# KiCad board panel.kicad_pcb (continued)
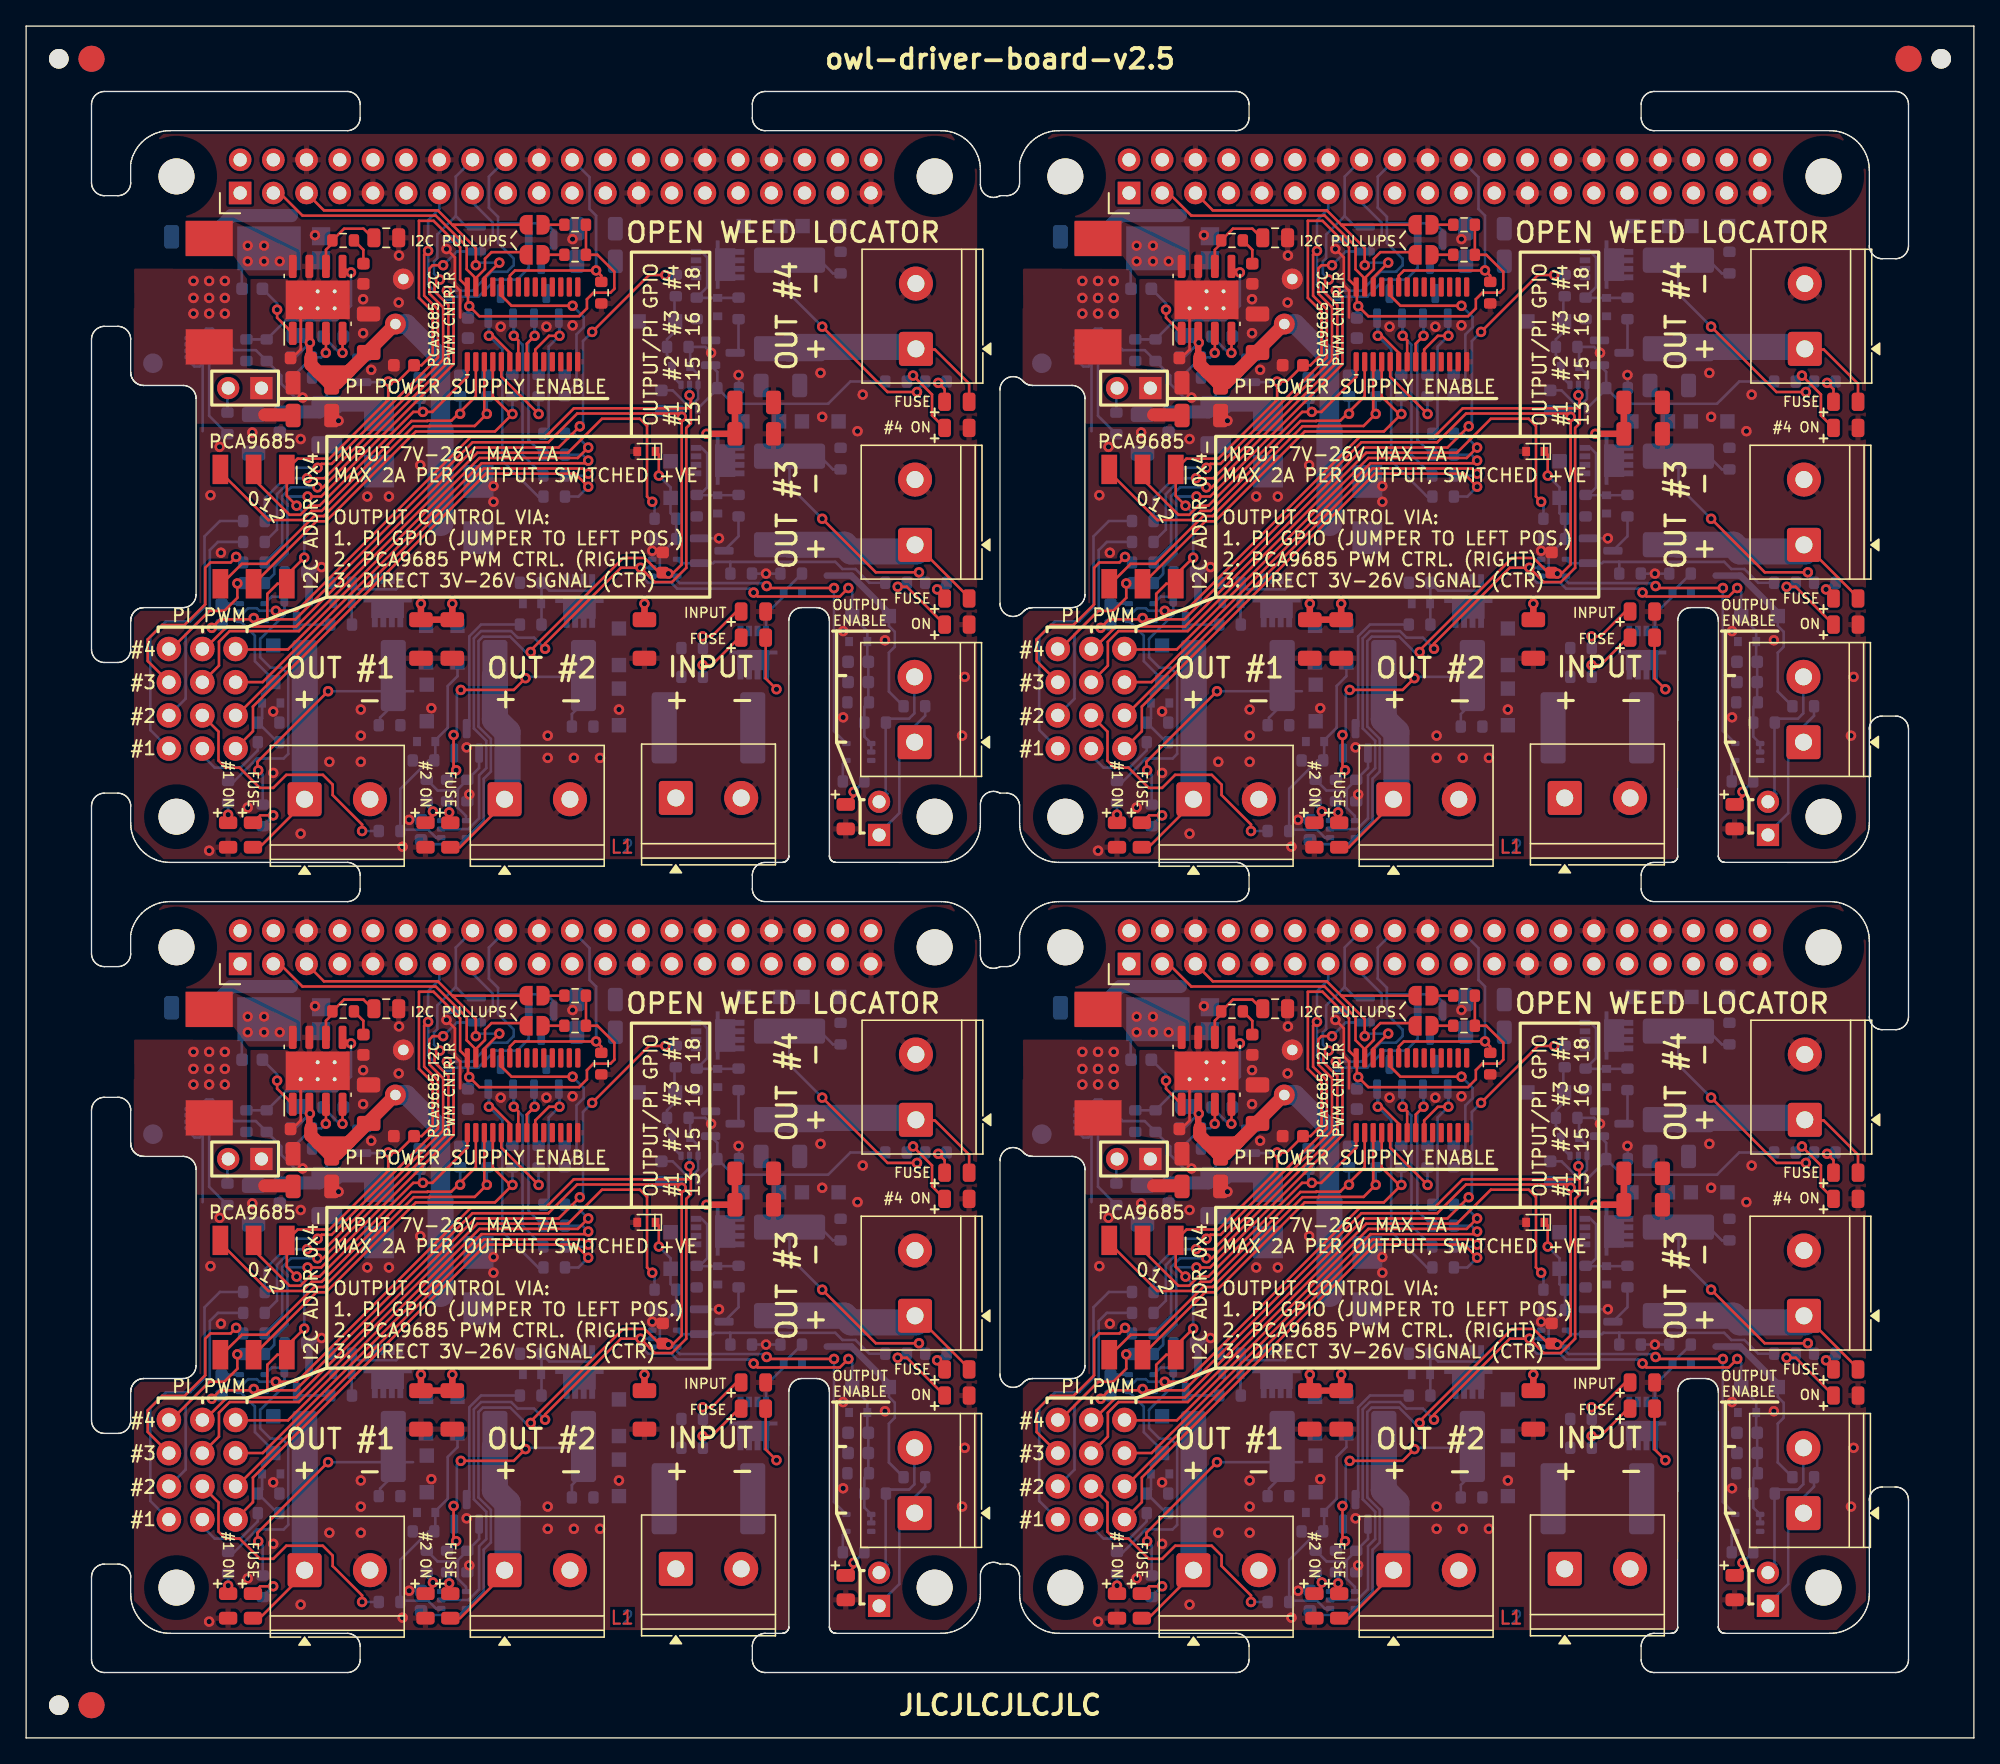
[diagram p0: board, top side]
## Nets (continued)
Board_3-I2C_SCL: J2#4.5 JP8#4.1 U2#2.26
Board_3-I2C_SDA: J2#4.3 JP7#4.1 U2#2.27
Board_3-INPUT1: J6.1 R24#4.2
Board_3-INPUT2: J6.3 R25#3.2
Board_3-INPUT3: J6.5 R26#3.2
Board_3-INPUT4: J6.7 R27#4.2
Board_3-MOSFET1: J6.2 R9.2
Board_3-MOSFET2: J6.4 R19#2.2
Board_3-MOSFET3: J6.6 R10#3.2
Board_3-MOSFET4: J6.8 R20#3.2
Board_3-Net-(C23-Pad1): C23.1 R44#2.2
Board_3-Net-(D1-A): D1#4.2 R1#2.1
Board_3-Net-(D1-K): D1#4.1 F1#4.2 Q1#3.2
Board_3-Net-(D4-A): D4#4.2 R4#3.1
Board_3-Net-(D5-A): D5#3.2 R5#3.1
Board_3-Net-(D6-A): D6#2.2 Q1#3.1 R8#4.2
Board_3-Net-(D12-A): D12.2 D45#4.1 R9.1 R53#2.2 U5#3.1
Board_3-Net-(D13-A): D13.2 D43#4.1 R10#3.1 R51#2.2 U6#4.1
Board_3-Net-(D19-A): D19#4.2 R15.1
Board_3-Net-(D20-A): D20#2.2 R16#3.2
Board_3-Net-(D25-A): D25#2.2 D44#4.1 R19#2.1 R52#2.2 U4#2.1
Board_3-Net-(D26-A): D26#3.2 D42#3.1 R20#3.1 R50#3.2 U7#2.1
Board_3-Net-(D29-A): D29#3.2 R58#2.1
Board_3-Net-(D30-A): D30#2.2 R56.1
Board_3-Net-(D31-A): D31.2 R57#3.1
Board_3-Net-(D37-A): D37#2.2 R54#2.1
Board_3-Net-(D38-A): D38#4.2 R23#3.1
Board_3-Net-(D41-A): D41.2 R55#4.1
Board_3-Net-(J2-GP22): D35#3.2 J2#4.15 R29#2.1
Board_3-Net-(J2-GP23): D35#3.1 J2#4.16 R30#4.1
Board_3-Net-(J2-GP24): D34#3.2 J2#4.18 R31#4.1
Board_3-Net-(J2-GP27): D34#3.1 J2#4.13 R38.1
Board_3-Net-(J10-Pin_1): J10#2.1 J11#4.1 R48#4.2
Board_3-Net-(J10-Pin_2): J10#2.2 J11#4.2 R49.1
Board_3-Net-(JP7-B): JP7#4.2 R39#4.1
Board_3-Net-(JP8-B): JP8#4.2 R40.1
Board_3-Net-(Q4-D): Q4#4.3 R6.1
Board_3-Net-(Q4-G): Q4#4.1 R11.2 R58#2.2 U5#3.4
Board_3-Net-(Q5-D): Q5#4.3 R7#4.1
Board_3-Net-(Q5-G): Q5#4.1 R12#3.2 R56.2 U6#4.4
Board_3-Net-(Q8-D): Q8.3 R17#4.1
Board_3-Net-(Q8-G): Q8.1 R21.2 R57#3.2 U4#2.4
Board_3-Net-(Q9-D): Q9.3 R18.1
Board_3-Net-(Q9-G): Q9.1 R22#4.2 R54#2.2 U7#2.4
Board_3-Net-(R55-Pad2): R55#4.2 U8#4.4
Board_3-Net-(U2-A0): R37#2.2 SW1.1 U2#2.1
Board_3-Net-(U2-A1): R36#3.2 SW1.2 U2#2.2
Board_3-Net-(U2-A2): R35#2.2 SW1.4 U2#2.3
Board_3-Net-(U2-A3): R34#2.2 SW1.8 U2#2.4
Board_3-Net-(U2-A4): R33#2.2 U2#2.5
Board_3-Net-(U2-A5): R32.2 U2#2.24
Board_3-Net-(U2-LED0): D33#3.2 R24#4.1 U2#2.6
Board_3-Net-(U2-LED1): D33#3.1 R25#3.1 U2#2.7
Board_3-Net-(U2-LED2): D32#3.2 R26#3.1 U2#2.8
Board_3-Net-(U2-LED3): D32#3.1 R27#4.1 U2#2.9
Board_3-Net-(U3-EN): R46#4.1 U3.1
Board_3-OE: J2#4.22 R28.2 U2#2.23
Board_3-OUT1: D4#4.1 F2.2 J4#4.1
Board_3-OUT2: D19#4.1 F4#4.2 J5#3.1
Board_3-OUT3: D5#3.1 F3#4.2 J7#2.1
Board_3-OUT4: D20#2.1 F5#4.2 J8#3.1
Board_3-PI1: J1#2.4 R38.2
Board_3-PI2: J1#2.3 R29#2.2
Board_3-PI3: J1#2.2 R30#4.2
Board_3-PI4: J1#2.1 R31#4.2
Board_3-PI_5V0: C10.1 J2#4.2 J2#4.4 TP1#3.1 U3.6
Board_3-unconnected-(J2-3.3V-Pad1): J2#4.1
Board_3-unconnected-(J2-3.3V-Pad17): J2#4.17
Board_3-unconnected-(J2-CE0-Pad24): J2#4.24
Board_3-unconnected-(J2-CE1-Pad26): J2#4.26
Board_3-unconnected-(J2-GP4-Pad7): J2#4.7
Board_3-unconnected-(J2-GP5-Pad29): J2#4.29
Board_3-unconnected-(J2-GP6-Pad31): J2#4.31
Board_3-unconnected-(J2-GP12-Pad32): J2#4.32
Board_3-unconnected-(J2-GP13-Pad33): J2#4.33
Board_3-unconnected-(J2-GP16-Pad36): J2#4.36
Board_3-unconnected-(J2-GP17-Pad11): J2#4.11
Board_3-unconnected-(J2-GP18#-Pad12): J2#4.12
Board_3-unconnected-(J2-GP19-Pad35): J2#4.35
Board_3-unconnected-(J2-GP20-Pad38): J2#4.38
Board_3-unconnected-(J2-GP21-Pad40): J2#4.40
Board_3-unconnected-(J2-GP26-Pad37): J2#4.37
Board_3-unconnected-(J2-ID_SC-Pad28): J2#4.28
Board_3-unconnected-(J2-ID_SD-Pad27): J2#4.27
Board_3-unconnected-(J2-MISO-Pad21): J2#4.21
Board_3-unconnected-(J2-MOSI-Pad19): J2#4.19
Board_3-unconnected-(J2-RXI-Pad10): J2#4.10
Board_3-unconnected-(J2-SCLK-Pad23): J2#4.23
Board_3-unconnected-(J2-TXO-Pad8): J2#4.8
Board_3-unconnected-(U2-EXTCLK-Pad25): U2#2.25
Board_3-unconnected-(U2-LED4-Pad10): U2#2.10
Board_3-unconnected-(U2-LED5-Pad11): U2#2.11
Board_3-unconnected-(U2-LED6-Pad12): U2#2.12
Board_3-unconnected-(U2-LED7-Pad13): U2#2.13
Board_3-unconnected-(U2-LED8-Pad15): U2#2.15
Board_3-unconnected-(U2-LED9-Pad16): U2#2.16
Board_3-unconnected-(U2-LED10-Pad17): U2#2.17
Board_3-unconnected-(U2-LED11-Pad18): U2#2.18
Board_3-unconnected-(U2-LED12-Pad19): U2#2.19
Board_3-unconnected-(U2-LED13-Pad20): U2#2.20
Board_3-unconnected-(U2-LED14-Pad21): U2#2.21
Board_3-unconnected-(U2-LED15-Pad22): U2#2.22
Board_3-unconnected-(U3-DNC-Pad10): U3.10
Board_3-unconnected-(U3-DVDT-Pad7): U3.7
Board_3-unconnected-(U3-PG-Pad3): U3.3
Board_3-VCC: C1.1 C2.1 C3.1 C4.1 C5#4.1 C6#4.1 C8#2.1 C11#4.1 C12.1 C15#2.1 C16.1 C18#4.1 C19#3.1 D2#2.1 D3#2.1 D6#2.1 D7.1 D8#4.1 D9#3.1 D12.1 D13.1 D17#2.1 D18.1 D21#2.1 D22#3.1 D25#2.1 D26#3.1 D40#3.1 Q1#3.3 Q2.3 Q3#4.3 Q6#4.3 Q7#2.3 R2#2.2 R3#4.2 R13#3.2 R14#2.2 R23#3.2 R41.2 R48#4.1 U1.2
Board_3-VIN: F1#4.1 J3#4.1 R1#2.2

## Via types
v1: diameter 0.8, hole 0.4, Top to Bottom, 608 vias

## Routing (per net, layer and track width the routed paths; a pad name or vN(x,y) marks a point on that pad's centre or on a via; arc(x,y) is an arc through that point)
Board_0-+3V3: length 194.7
  Top w0.2: 19.1,85.6 18.5,85.6 18.45,85.65 18.45,87.55 19.22,88.33 SW1#4.C ; 19.1,85.6 17.51,85.6 v1(17.41,85.7) 17.31,85.6 14.85,85.6 v1(14.2,84.95) ; 19.1,85.6 20.6,85.6 34.15,99.15 39.95,99.15 42.15,101.35 49.9,101.35 v1(50.15,101.1) 50.15,89.8 49.53,89.18 C27#3.1 ; C27#3.1 48.44,89.18 47.31,90.3 45.67,90.3 38.6,83.23 v1(38.6,83.1) ; C27#3.1 48.78,89.1 v1(49.13,89.1) ; 27.77,103.87 v1(27.7,103.8) ; v1(27.7,103.8) 28.42,103.8 C30#4.1 30.25,105.05 31.1,105.9 31.1,109.15 30.05,110.2 30.05,116.1 31.17,116.1 33.2,114.07 33.2,111.59 U2#3.28 ; v1(27.7,103.8) 27.7,102.4 23.2,97.9 20.77,97.9 SW1#4.C 19.94,95.05 v1(20.69,94.3) ; R40#4.2 R39#2.2 43.7,113.5 45,112.2 45,110.9 44.7,110.6 43.4,110.6 42.9,110.1 42.9,109.4 42.3,108.8 34.67,108.8 v1(33.9,109.57) 33.8,109.67 33.8,110.99 ; v1(56.65,88.15) 56.8,88 v1(61.8,88) ; 19.74,88.79 v1(21.28,90.33)
  Bottom w0.2: v1(56.65,88.15) 56.43,88.38 50,88.38 49.8,88.58 U6.5 49.33,88.9 v1(49.13,89.1) ; U8#2.5 61.8,77.05 v1(61.8,88) ; C28#4.1 30.53,68.4 33.15,68.4 U4.5 33.7,68.9 35,70.2 35,73.4 35.55,73.95 35.55,76.45 34.6,77.4 34.6,83.94 34.94,84.28 37.03,84.28 38.21,83.1 v1(38.6,83.1) ; U7#3.5 50.1,101.1 ; 50.1,101.1 50.15,101.05 ; 50.1,101.1 v1(50.15,101.1) 49.67,101.58 C26.1 ; v1(27.7,103.8) 27.65,103.75 U9#2.2 ; v1(21.28,90.33) 21.28,93.71 v1(20.69,94.3) ; v1(33.9,109.57) 33.8,109.47 C7#2.1 ; 18.35,85.5 U5.5 17.61,85.5 v1(17.41,85.7)
Board_0-+5V: length 12.1
  Top w1: 18.25,101.25 20.38,101.25 20.42,101.2
  Bottom w0.2: C13#3.1 23,103.9 U9#2.3
  Bottom w1: C9#4.1 22.44,101.48 C13#3.1 23.04,102 26.08,102
  vias: v1(12.8,111.5) v1(12.8,110.2) v1(12.8,109) v1(14,111.5) v1(14,110.2) v1(14,109) v1(15.2,111.5) v1(15.2,110.2) v1(15.2,109)
Board_0-/BOOT: length 4.4
  Top w0.2: v1(19.2,109.3) 19.2,108.68 U1#2.1
  Bottom w0.2: C17#2.1 19.2,109.78 v1(19.2,109.3)
Board_0-/COMP: length 6.1
  Top w0.2: 26.51,114.8 25.81,115.5 24.33,115.5 R44#4.1 ; U1#2.6 22.94,113.89 23.4,114.35 23.4,114.78
Board_0-/EN: length 5.2
  Top w0.2: U1#2.3 22.94,105.71
  Bottom w0.2: 20.33,104.1 R41#2.1 22.58,105.65 v1(22.92,106)
Board_0-/M1_D: length 19.4
  Top w0.2: v1(23.1,80.1) 17.7,74.7 17.7,74.1 v1(17.76,74.04)
  Bottom w0.2: v1(17.76,74.04) 18.1,73.7 R4.2 ; R62#3.2 27.08,77.6 27.08,78.08 27.9,78.9 ; v1(23.1,80.1) 29.6,80.1
Board_0-/M1_G: length 7.4
  Bottom w0.2: 24.9,85.1 24.9,86.68 ; R2#3.1 25.42,87.9 28.3,87.9 28.62,88.23 28.62,88.45 ; 24.92,86.7 24.92,88.3
Board_0-/M2_D: length 18.8
  Top w0.2: v1(38.2,81.1) 37.3,80.2 v1(33.25,80.2) ; v1(32.7,76.75) 32.7,74.25 v1(32.89,74.05)
  Bottom w0.2: v1(38.2,81.1) 38.3,81.2 42.54,81.2 ; v1(32.89,74.05) 32.2,73.36 R15#4.2 ; R61.2 41.75,78.35 42.2,78.8 ; v1(32.7,76.75) 32.95,77 32.95,79.9 v1(33.25,80.2)
Board_0-/M2_G: length 8
  Bottom w0.2: 43.33,88.65 43.33,88.03 43.1,87.8 40.03,87.8 R13#4.1 39.42,86.83 ; R17.2 39.42,86.78
Board_0-/M3_D: length 16.5
  Top w0.2: v1(68.3,89.2) 65,89.2 v1(60.9,93.3)
  Bottom w0.2: 61,97.8 61.72,97.08 62.3,97.08 ; v1(60.9,93.3) 58.4,95.8 F3#3.1
Board_0-/M3_G: length 7.6
  Bottom w0.2: 51.53,95.13 52.1,95.7 52.1,98.3 51.67,98.73 Q3#3.1 ; 54.47,95.1 D3.2 51.33,95.1
Board_0-/M4_D: length 18.1
  Top w0.2: v1(60.9,108) 65.9,103 v1(68.15,103)
  Bottom w0.2: R16.1 68.15,103.18 v1(68.15,103) ; 62.3,112.08 61.72,112.08 61,112.8 ; 58.39,113.07 58.39,110.51 v1(60.9,108)
Board_0-/M4_G: length 7.6
  Bottom w0.2: R14#4.1 52.1,111.03 52.1,113.3 51.67,113.73 Q7#3.1 ; 54.47,110.2 D18#3.2 51.33,110.2
Board_0-/PI_5V0_P: length 1.9
  Bottom w0.2: 15.4,101.43 15.4,103.24 J9.2
Board_0-/SS: length 3.5
  Top w0.2: v1(24.2,106) 24.2,106.01 U1#2.4
  Bottom w0.2: C24#2.1 23.98,106 v1(24.2,106)
Board_0-/SW: length 2.1
  Bottom w0.2: 16.5,111.18 16.5,113.3
  vias: v1(16.95,114.2) v1(16.95,113) v1(18.2,114.2) v1(18.2,113) v1(19.4,113)
Board_0-/VSENSE: length 12.5
  Top w0.2: U1#2.5 24.67,112.15 v1(24.85,112.15)
  Bottom w0.2: 16.85,107.03 18.4,107.03 19.88,108.5 23.75,108.5 24.85,109.6 v1(24.85,112.15)
Board_0-ENABLE: length 126.5
  Top w0.2: v1(62.9,88) 62.25,87.35 55.95,87.35 v1(55.65,87.65) ; v1(19.1,86.26) 20.71,86.26 34,99.55 39.7,99.55 41.9,101.75 50.8,101.75 50.85,101.8 50.85,102.65 ; 50.85,102.65 50.85,100.6 50.5,100.25 50.5,89.55 49.4,88.45 48.1,88.45 v1(47,89.55) 45.5,89.55 39.7,83.75 v1(39.7,83.35) ; 50.85,102.65 v1(50.75,102.75)
  Bottom w0.2: v1(55.65,87.65) 55.35,87.95 49.8,87.95 49.35,88.4 47.58,88.4 47,88.98 v1(47,89.55) U6.2 ; v1(19.1,86.26) 17.84,86.26 17.65,86.45 16.97,86.45 16.67,86.15 U5.2 ; v1(62.9,88) 63.2,87.7 D40#2.2 64.35,84.7 D39.1 64.35,82.43 C25#3.1 C21.1 64.43,79.3 R47#2.1 64.12,78.9 R49#3.2 64.12,76.63 U8#2.1 U8#2.2 ; U7#3.2 v1(50.75,102.75) ; v1(39.7,83.35) 38.85,84.2 37.6,84.2 37.1,84.7 34.8,84.7 34.25,84.15 34.25,77.26 35.2,76.31 35.2,74.22 34.65,73.67 34.65,70.38 33.82,69.55 U4.2
Board_0-GND: length 58.5
  Top w0.2: U1#2.9 21,106.25 20.65,105.9 ; 33.2,108.7 33.2,110.76 32.8,111.16 32.8,113.3 v1(32.16,113.94)
  Bottom w0.2: v1(29.3,70.26) 29.32,70.28 C28#4.2 ; v1(54.5,104.3) 54.53,104.28 R22.1 ; U5.3 15.45,86.8 15.3,86.65 ; U3#2.4 12.6,105.23 12.88,104.95 13.27,104.95 13.53,105.2 U3#2.2 13.5,105.48 13.5,100 ; C26.2 49.46,103.13 50.48,102.1 51.03,102.1 51.4,102.47 U7#3.3 51.4,104.35 D42#2.2 50.8,106.33 R50#2.1 51.95,106.45 v1(52.4,106) 52.36,106.04 Q9#3.2 ; R51.1 47.9,91.58 v1(47.9,90.85) U6.3 ; R8#3.1 v1(56.6,89.1) R12#2.1 ; Q5#2.2 v1(53,91.8) ; U3#2.8 U3#2.9 13.53,107.6 13.78,107.85 14.25,107.85 15.9,106.2 17.58,106.2 R45#2.1 19.53,104.25 19.53,103.62 20.57,102.57 v1(21.15,102.57) ; v1(33.9,72.2) 33.75,72.05 R21#2.1
  Bottom w0.5: v1(22.6,89.6) 22.2,89.6 21.65,89.05 Q4#3.2 21.65,88.98
  Bottom w1: 14.08,114.88 15.5,116.3 15.5,116.33 15.67,116.5 20.3,116.5
  vias: v1(14,67.9) v1(14.1,95.1) v1(14.8,98.8) v1(14.9,90.7) v1(16.95,71.2) v1(17.3,99.9) v1(18.9,78.55) v1(18.9,73.85) v1(21,99.4) v1(21,69.2) v1(22.1,115) v1(23.2,74.7) v1(23.9,100.8) v1(25.6,78.7) v1(25.6,76.7) v1(25.6,74.7) v1(25.78,110.1) v1(25.78,107.5) v1(26.1,95) v1(26.4,104.7) v1(27.75,95) v1(28.52,113.45) v1(28.5,109.85) v1(28.8,68.2) v1(30.15,97.4) v1(31,78.8) v1(33.7,75.8) v1(35.75,95.8) v1(35.75,94.6) v1(36.3,108) v1(39.8,108) v1(39.9,76.7) v1(39.9,75) v1(41.8,114.7) v1(41.8,108.1) v1(41.9,75) v1(43.9,75) v1(45.35,78.7) v1(60.77,104.46) v1(60.9,101.1) v1(62.5,84.7) v1(62.5,78.1) v1(63.6,100) v1(64,102.8) v1(65.7,84) v1(71.6,76.7) v1(71.8,81.2)
Board_0-I2C_SCL: length 25.8
  Top w0.2: U2#3.26 35.05,111.75 v1(36.2,112.9) ; 32.65,115.75 31.5,116.9 22.78,116.9 J2#2.5 ; 32.65,115.75 34.4,114 v1(34.4,112.7) ; 32.65,115.75 32.7,115.8 JP8#3.1
  Bottom w0.2: v1(34.4,112.7) 34.6,112.9 v1(36.2,112.9)
Board_0-I2C_SDA: length 25
  Top w0.2: 19.41,118.23 21.14,116.5 31.34,116.5 33.7,114.14 33.7,112.39 34.4,111.69 U2#3.27 34.4,111.71 35.1,112.41 35.1,113.2 35.6,113.7 38.05,113.7
Board_0-INPUT1: length 39.3
  Top w0.2: v1(43,95.75) 42,96.75 35.17,96.75 17.35,78.93 17.35,77.04 J6#2.1
  Bottom w0.2: 41.22,95 42.25,95 v1(43,95.75)
Board_0-INPUT2: length 36.7
  Top w0.2: 16.11,78.25 35.01,97.15 42.6,97.15 v1(43,96.75)
  Bottom w0.2: 41.22,96.6 42.85,96.6 v1(43,96.75)
Board_0-INPUT3: length 36
  Top w0.2: 16.03,80.8 18.09,80.8 34.84,97.55 42.8,97.55 v1(43,97.75)
  Bottom w0.2: v1(43,97.75) 42.55,98.2 41.22,98.2
Board_0-INPUT4: length 35.6
  Top w0.2: v1(43,98.75) 42.2,97.95 34.68,97.95 20.03,83.3 16.05,83.3
  Bottom w0.2: 41.22,99.8 41.95,99.8 v1(43,98.75)
Board_0-MOSFET1: length 5.8
  Bottom w0.2: R9#3.2 17.72,75.58 16.4,74.25 14.42,74.25 13.48,75.2
Board_0-MOSFET2: length 20.1
  Top w0.2: v1(25.7,69.4) 25.7,69.9 23.45,72.15 23.45,72.95 22.7,73.7 19.9,73.7 18.9,72.7 17.88,72.7 16.33,74.25 15.25,74.25 14.72,74.78 14.72,77.01 J6#2.4
  Bottom w0.2: v1(25.7,69.4) R19#3.2
Board_0-MOSFET3: length 51
  Top w0.2: J6#2.6 14.75,82.06 14.75,83.89 15.56,84.7 20.86,84.7 34.52,98.35 41.45,98.35 44.05,100.95 46.95,100.95 47.5,100.4 47.5,95 v1(47.9,94.6)
  Bottom w0.2: R10#2.2 48.08,94.43 v1(47.9,94.6)
Board_0-MOSFET4: length 51.8
  Top w0.2: v1(42.35,100.37) 40.73,98.75 34.35,98.75 20.65,85.05 15.36,85.05 13.64,83.33 J6#2.8 ; v1(43.3,107.6) 47.65,111.95 v1(48.9,111.95)
  Bottom w0.2: v1(48.9,111.95) 49.67,111.95 R20#4.2 ; v1(42.35,100.37) 42.6,100.62 42.6,106.9 v1(43.3,107.6)
Board_0-Net-(C23-Pad1): length 2.1
  Top w0.2: R44#4.2 25.8,113.88 C23#2.1
Board_0-Net-(D1-A): length 4.7
  Top w0.2: D1#3.2 54.55,84.2 52.45,82.1 v1(51.75,82.1)
  Bottom w0.2: v1(51.75,82.1) 51.78,82.08 R1#4.1
Board_0-Net-(D1-K): length 4.3
  Top w0.2: D1#3.1 56.57,81.08 v1(57.4,80.25)
Board_0-Net-(D4-A): length 2.8
  Top w0.2: v1(18.9,70.6) 17.91,70.6 D4#3.2
  Bottom w0.2: 18.2,69.9 v1(18.9,70.6)
Board_0-Net-(D5-A): length 1.9
  Top w0.2: D5.2 69.69,87.77 v1(69.69,87.89)
  Bottom w0.2: v1(69.69,87.89) 70.2,88.4 R5.1
Board_0-Net-(D6-A): length 5.5
  Bottom w0.2: R8#3.2 57.95,87.7 D6#3.2 57.95,87.35 56.6,86 Q1#2.1
Board_0-Net-(D12-A): length 11.6
  Bottom w0.2: R9#3.1 19.22,76.2 R53#4.2 18.05,78.03 D45#3.1 18.05,79.85 18.9,80.7 D12#4.2 18.9,81 17.5,82.4 17.5,84.35 U5.1
Board_0-Net-(D13-A): length 11.1
  Top w0.2: v1(48.4,96.6) 48.4,98.2 D43#2.1
  Bottom w0.2: U6.1 48.22,88.9 48.47,89.15 48.47,90.5 49.72,91.75 49.72,93.3 49.3,93.73 D13#2.2 49.3,95.7 v1(48.4,96.6)
Board_0-Net-(D19-A): length 1.4
  Top w0.2: 32.4,70.34 32.4,70.79 v1(32.36,70.83)
  Bottom w0.2: v1(32.36,70.83) 32.4,70.87 32.4,71.73
Board_0-Net-(D20-A): length 1.7
  Top w0.2: D20#3.2 70.26,103.21 v1(69.77,103.7)
Board_0-Net-(D25-A): length 18.9
  Bottom w0.2: 31.22,74.8 31.3,74.88 D44#2.1 31.3,76.35 32.25,77.3 32.25,80.5 33,81.25 D25.2 ; 31.22,74.8 30.8,74.8 28.62,72.63 R19#3.1 28.72,69.5 30.75,69.5 31.35,68.9 U4.1 ; 31.22,74.8 31.22,74.95 31.47,75.2
Board_0-Net-(D26-A): length 7
  Bottom w0.2: U7#3.1 49.4,104.25 D42#2.1 49.4,105.45 49.03,105.83 R50#2.2 49.03,107.03 49.65,107.65 D26#2.2 49.6,108.45 49.6,109.88
Board_0-Net-(D29-A): length 0.9
  Bottom w0.2: R58#3.1 v1(15.45,70.65)
Board_0-Net-(D30-A): length 5.6
  Top w0.2: D30.2 67.37,88.09 v1(66.67,88.09)
  Bottom w0.2: v1(66.67,88.09) 67.07,88.09 R56#2.1
Board_0-Net-(D31-A): length 2.1
  Top w0.2: D31#3.2 31.12,70.61 v1(31.12,70.89)
  Bottom w0.2: R57#2.1 30.65,71.36 v1(31.12,70.89)
Board_0-Net-(D37-A): length 6
  Top w0.2: v1(67.85,104.26) 69.3,102.81 69.3,101.21 D37.2 70.01,100
  Bottom w0.2: R54.1 67.84,104.26 v1(67.85,104.26)
Board_0-Net-(D38-A): length 4.6
  Top w0.2: D38.2 54.35,86.2 52.45,84.3 v1(51.75,84.3)
  Bottom w0.2: 51.75,84.45 51.78,84.43 51.78,83.55
Board_0-Net-(D41-A): length 2.4
  Top w0.2: D41#4.2 63.3,72.04 v1(63.3,72.4)
  Bottom w0.2: v1(63.3,72.4) 64.1,73.2 R55#3.1
Board_0-Net-(J2-GP22): length 37.5
  Top w0.2: v1(21.5,96.4) 22.83,96.4 31.9,105.47 31.9,109.48 30.85,110.53 30.85,112.45 31.1,112.7 v1(31.9,112.7)
  Bottom w0.2: v1(21.5,96.4) 20.4,96.4 19.19,95.19 19.19,92.46 R29#4.1 ; v1(31.9,112.7) 32.95,113.75 D35.2 35.7,115.01 35.7,115.95 34.15,117.5
Board_0-Net-(J2-GP23): length 42
  Top w0.2: v1(22.28,95.7) 22.7,95.7 32.3,105.31 32.3,109.64 31.25,110.7 31.25,111.2 v1(31.65,111.6)
  Bottom w0.2: 32.87,116.47 32.87,119.49 J2#2.16 ; 32.87,116.47 31.45,115.05 31.45,113.24 31.2,112.99 31.2,112.05 v1(31.65,111.6) ; 32.87,116.47 33.69,115.65 D35.1 ; v1(22.28,95.7) 20.27,95.7 19.59,95.02 19.59,91.29 R30#2.1
Board_0-Net-(J2-GP24): length 50.5
  Top w0.2: v1(21.53,95) 22.57,95 32.7,105.13 32.7,110.24 v1(32.19,110.76)
  Bottom w0.2: D34.2 40.35,115.35 39.8,115.9 36.1,115.9 ; R31.1 18.97,89.08 18.97,89.61 19.99,90.62 19.99,94.86 20.13,95 v1(21.53,95) ; 36.1,115.9 36.1,114.4 37.3,113.2 37.3,112.7 36.8,112.2 35.6,112.2 34.16,110.76 v1(32.19,110.76) ; 36.1,115.9 36.1,116.4 35.4,117.1 35.4,119.48 J2#2.18
Board_0-Net-(J2-GP27): length 46.9
  Top w0.2: v1(30.75,113.8) 30.45,113.5 30.45,110.37 31.5,109.31 31.5,105.64 23.37,97.5 22.6,97.5 v1(22.3,97.2)
  Bottom w0.2: v1(22.3,97.2) 20.6,97.2 18.25,94.85 R38#3.1 ; D34.1 38.45,112.49 37.57,111.6 35.9,111.6 34.6,110.3 32.72,110.3 32.48,110.06 31.9,110.06 30.75,111.21 v1(30.75,113.8) 30.75,116.15 31.61,117.01 J2#2.13
Board_0-Net-(J10-Pin_1): length 11.3
  Bottom w0.2: 68.78,78.95 68.78,78.23 67.95,77.4 67.95,76.3 66.8,75.15 66.8,70.78 65.25,69.23 J11.1
Board_0-Net-(J10-Pin_2): length 12.6
  Bottom w0.2: 67.95,81.3 67.95,78.41 67.54,78 66.07,78 65.75,77.68 65.75,72.27 65.25,71.77 J11.2 65.38,71.77 65.4,71.77 65.9,72.27 ; 65.78,77.7 65.8,77.7
Board_0-Net-(JP7-B): length 1.6
  Top w0.2: R39#2.1 JP7#2.2
Board_0-Net-(JP8-B): length 1.6
  Top w0.2: R40#4.1 JP8#3.2
Board_0-Net-(Q4-D): length 2.7
  Bottom w0.2: 23.28,85.2 20.96,85.2 Q4#3.3
Board_0-Net-(Q4-G): length 23.4
  Bottom w0.2: 19.76,86.1 19.76,85.94 ; 19.76,86.1 19.76,87.33 Q4#3.1 18.79,87.34 U5.4 ; 19.76,86.1 19.76,85.96 17.9,84.1 17.9,82.7 18.7,81.9 19.55,81.9 20.05,81.4 20.05,75.3 19.7,74.95 17.65,74.95 15.9,73.2 15.47,73.2 15.45,73.23 ; 19.78,89.2 19.78,87.36
Board_0-Net-(Q5-D): length 3.1
  Bottom w0.2: 54.5,93.48 54.5,91.96 Q5#2.3
Board_0-Net-(Q5-G): length 17.7
  Bottom w0.2: 53.85,90 61.9,90 62.45,89.45 63.45,89.45 64.5,88.4 65.72,88.4 ; 53.85,90 53.88,89.98 53.88,89.1 ; 53.85,90 52.65,90 52.55,89.9 Q5#2.1 50.1,89.9 U6.4
Board_0-Net-(Q8-D): length 11.4
  Bottom w0.2: 37.78,85.2 34.8,85.2 33.9,84.3 33.9,77.44 Q8#4.3
Board_0-Net-(Q8-G): length 8.8
  Bottom w0.2: 33.03,72.5 33.03,71.18 33.65,70.55 U4.4 ; 33.03,72.5 31.47,72.5 R57#2.2 ; 33.03,72.5 33.03,72.6 R21#2.2 34.65,74.23 Q8#4.1
Board_0-Net-(Q9-D): length 2.7
  Bottom w0.2: 54.5,108.58 54.5,106.26 Q9#3.3
Board_0-Net-(Q9-G): length 18.3
  Bottom w0.2: R22.2 52.88,103.23 51.4,101.75 U7#3.4 ; R22.2 52.88,104.54 Q9#3.1 ; R22.2 54.07,102.1 61.35,102.1 63.05,103.8 65.72,103.8
Board_0-Net-(R55-Pad2): length 1.7
  Bottom w0.2: U8#2.4 62.47,74.53 R55#3.2
Board_0-Net-(U2-A0): length 24.4
  Top w0.2: 17.2,96.55 20.15,93.6 20.98,93.6 21.68,94.3 22.44,94.3 29.62,101.48 v1(30.35,101.48) 31.08,101.48 33.75,104.15 U2#3.1
  Bottom w0.2: v1(30.35,101.48) 30.1,101.73 30.1,102.48
Board_0-Net-(U2-A1): length 29.2
  Top w0.2: U2#3.2 34.4,102.68 32.53,100.8 30.71,100.8 30.69,100.78 29.48,100.78 22.6,93.9 21.84,93.9 21.14,93.2 18.53,93.2 14.86,96.88 SW1#4.2
  Bottom w0.2: v1(33.2,101.33) 33.2,101.33 R36#4.2
Board_0-Net-(U2-A2): length 31.1
  Top w0.2: SW1#4.4 14.97,88.33 16.5,89.85 18.39,89.85 22.04,93.5 22.77,93.5 29.65,100.38 30.86,100.38 30.88,100.4 34.32,100.4 v1(35.24,101.33) 35.05,101.52 U2#3.3
  Bottom w0.2: v1(35.24,101.33) 35.24,102.62
Board_0-Net-(U2-A3): length 31.2
  Top w0.2: U2#3.4 35.7,102.65 37.03,101.32 v1(37.21,101.32) 35.87,99.98 29.81,99.98 22.94,93.1 22.21,93.1 17.43,88.33
  Bottom w0.2: v1(37.21,101.32) 37.2,101.32 R34#4.2
Board_0-Net-(U2-A4): length 6.5
  Top w0.2: U2#3.5 36.35,104.17 v1(39.21,101.32)
  Bottom w0.2: v1(39.21,101.32) 39.2,101.32 R33#4.2
Board_0-Net-(U2-A5): length 14.3
  Top w0.2: U2#3.24 36.35,110.38 37.13,109.6 v1(41.8,109.6)
  Bottom w0.2: R32#2.2 42.1,103.58 42.1,107.4 42.65,107.95 42.65,108.75 v1(41.8,109.6)
Board_0-Net-(U2-LED0): length 18.4
  Top w0.2: v1(35.4,107.3) 35.7,107.3 37,106 U2#3.6
  Bottom w0.2: v1(35.4,107.3) 36.42,106.28 36.42,97.75 39.17,95 R24#3.1
  Bottom w0.25: v1(35.4,107.3) 35.4,108.61
Board_0-Net-(U2-LED1): length 15.1
  Top w0.2: v1(37.3,107.3) 37.65,106.95 U2#3.7
  Bottom w0.2: R25.1 37.97,98.2 37.97,106.63 v1(37.3,107.3)
  Bottom w0.25: v1(37.3,107.3) 37.3,108.61
Board_0-Net-(U2-LED2): length 13.3
  Top w0.2: U2#3.8 38.3,106.7 v1(38.9,107.3)
  Bottom w0.2: v1(38.9,107.3) 38.42,106.83 38.42,99.35 R26#2.1
  Bottom w0.25: 38.9,108.61 v1(38.9,107.3)
Board_0-Net-(U2-LED3): length 12.5
  Top w0.2: U2#3.9 38.95,106.25 40,107.3 v1(40.8,107.3)
  Bottom w0.2: v1(40.8,107.3) 39.97,106.48 39.97,100.2 R27#3.1
  Bottom w0.25: v1(40.8,107.3) 40.8,108.61
Board_0-Net-(U3-EN): length 6.3
  Bottom w0.2: R46#3.1 14,101.18 U3#2.1
Board_0-OE: length 17.9
  Top w0.2: 44,111.43 44,111.9 v1(43.6,112.3) 37.4,112.3 37,111.9 U2#3.23
  Bottom w0.2: J2#2.22 43.1,119.44 43.1,117 43.6,116.5 v1(43.6,112.3)
Board_0-OUT1: length 14.6
  Top w0.2: 17.87,68.16 21.3,71.6
  Bottom w2: F2#4.2 21.31,71.61 21.3,71.6
Board_0-OUT2: length 15.8
  Top w0.2: D19.1 33.19,68.16 36.62,71.6
  Bottom w2: F4.2 35.86,77.94 36.83,76.98 36.83,71.8 36.62,71.6
Board_0-OUT3: length 15.7
  Top w0.2: D5.1 72.14,87.27 68.1,91.3
  Bottom w2: 68.1,90.8 63.1,90.8 62.59,91.31 F3#3.2
Board_0-OUT4: length 16.3
  Top w0.2: 68.1,106.25 69.52,106.25 72.14,103.63 D20#3.1
  Bottom w2: F5#2.2 58.54,106.45 67.91,106.45 68.1,106.25
Board_0-PI1: length 23.1
  Bottom w0.2: R38#3.2 14.83,93.13 13.65,91.95 13.65,86.55 12.55,85.45 10.7,85.45 9.5,84.25 9.5,77.13 J1#3.4
Board_0-PI2: length 16.8
  Bottom w0.2: J1#3.3 12.2,79.53 12.2,84.45 14.05,86.3 14.05,90.9 14.67,91.53 R29#4.2
Board_0-PI3: length 15.7
  Top w0.2: J1#3.2 9.3,82.41 9.3,84.07 10.4,85.17 12.12,85.17 13.7,86.75 13.7,89.55 14.1,89.95 15.64,89.95 v1(16.07,90.38)
  Bottom w0.2: R30#2.2 16.17,90.38 v1(16.07,90.38)
Board_0-PI4: length 8.4
  Top w0.2: J1#3.1 11.1,83.33 14.02,86.25 15.16,86.25 16.16,87.25 v1(16.16,88.35)
  Bottom w0.2: R31.2 16.19,88.38 v1(16.16,88.35)
Board_0-VCC: length 58.6
  Top w0.5: C15#4.1 C16#4.1 v1(52.05,99.8) ; 47.3,85.58 v1(47.3,86.8) ; U1#2.2 21.67,105.71 ; v1(32.6,86.8) 32.6,85.58 30.2,85.58 v1(30.2,86.8)
  Top w1: C8#4.1 26.2,106.15 C5#3.1 ; 24.75,104.65 24.64,104.54 22.34,104.54 ; 24.75,104.65 26.12,106.03 ; 24.75,104.65 23.8,103.7 C18#2.1 23.17,103.7 22.34,104.54 ; C6#3.1 21.78,105.1 22.34,104.54
  Bottom w0.2: 66.45,85.4 D40#2.1 66,85.1 66.45,84.65 66.45,83.5 66,83.05 66,80.08 R48.1 ; v1(21.71,106.77) 20.58,105.65 R41#2.2
  Bottom w0.5: 61.25,88.95 63.13,88.95 66,86.08 D40#2.1 ; 21.2,107.28 v1(21.71,106.77)
  Bottom w1.5: 31.7,100.2 31.7,105.6 29.1,108.2 C8#4.1
  Bottom w2: 31.7,100.1 31.7,92.98
Board_1-+3V3: length 194.7
  Top w0.2: 87.1,85.6 85.51,85.6 v1(85.41,85.7) 85.31,85.6 82.85,85.6 v1(82.2,84.95) ; 87.1,85.6 88.6,85.6 102.15,99.15 107.95,99.15 110.15,101.35 117.9,101.35 v1(118.15,101.1) 118.15,89.8 117.53,89.18 C27.1 ; 87.1,85.6 86.5,85.6 86.45,85.65 86.45,87.55 87.22,88.33 SW1#2.C ; v1(129.8,88) 124.8,88 v1(124.65,88.15) ; 95.77,103.87 v1(95.7,103.8) ; v1(95.7,103.8) 96.43,103.8 C30#3.1 98.25,105.05 99.1,105.9 99.1,109.15 98.05,110.2 98.05,116.1 99.17,116.1 101.2,114.07 101.2,111.59 U2#4.28 ; v1(95.7,103.8) 95.7,102.4 91.2,97.9 88.76,97.9 SW1#2.C 87.94,95.05 v1(88.69,94.3) ; C27.1 116.44,89.18 115.31,90.3 113.68,90.3 106.6,83.23 v1(106.6,83.1) ; C27.1 116.78,89.1 v1(117.13,89.1) ; 101.8,110.99 101.8,109.67 v1(101.9,109.57) 102.67,108.8 110.3,108.8 110.9,109.4 110.9,110.1 111.4,110.6 112.7,110.6 113,110.9 113,112.2 111.7,113.5 R39.2 R40#2.2 ; 87.74,88.79 v1(89.28,90.33)
  Bottom w0.2: U8.5 129.8,77.05 v1(129.8,88) ; C26#4.1 117.67,101.58 v1(118.15,101.1) 118.1,101.1 ; v1(89.28,90.33) 89.28,93.71 v1(88.69,94.3) ; U7#4.5 118.1,101.1 ; 118.1,101.1 118.15,101.05 ; v1(124.65,88.15) 124.43,88.38 118,88.38 117.8,88.58 U6#3.5 117.33,88.9 v1(117.13,89.1) ; v1(101.9,109.57) 101.8,109.47 C7#4.1 ; C28#3.1 98.53,68.4 101.15,68.4 U4#3.5 101.7,68.9 103,70.2 103,73.4 103.55,73.95 103.55,76.45 102.6,77.4 102.6,83.94 102.94,84.28 105.03,84.28 106.21,83.1 v1(106.6,83.1) ; v1(85.41,85.7) 85.61,85.5 U5#4.5 86.35,85.5 ; v1(95.7,103.8) 95.65,103.75 U9#3.2
Board_1-+5V: length 12.1
  Top w1: C14#3.1 88.38,101.25 86.25,101.25
  Bottom w0.2: C13#4.1 91,103.9 U9#3.3
  Bottom w1: 94.07,102 91.04,102 C13#4.1 90.44,101.48 C9#3.1
  vias: v1(80.8,111.5) v1(80.8,110.2) v1(80.8,109) v1(82,111.5) v1(82,110.2) v1(82,109) v1(83.2,111.5) v1(83.2,110.2) v1(83.2,109)
Board_1-/BOOT: length 4.4
  Top w0.2: v1(87.2,109.3) 87.2,108.68 U1#3.1
  Bottom w0.2: C17#4.1 87.2,109.78 v1(87.2,109.3)
Board_1-/COMP: length 6.1
  Top w0.2: R44#3.1 92.32,115.5 93.81,115.5 94.51,114.8 ; U1#3.6 90.94,113.89 91.4,114.35 91.4,114.78
Board_1-/EN: length 5.2
  Top w0.2: U1#3.3 90.94,105.71
  Bottom w0.2: 88.32,104.1 R41#4.1 90.57,105.65 v1(90.93,106)
Board_1-/M1_D: length 19.4
  Top w0.2: v1(85.76,74.04) 85.7,74.1 85.7,74.7 v1(91.1,80.1)
  Bottom w0.2: R62.2 95.07,77.6 95.07,78.08 95.9,78.9 ; v1(85.76,74.04) 86.1,73.7 R4#2.2 ; v1(91.1,80.1) 97.6,80.1
